# Altium PCB DeutschPCB.PcbDoc (part 2 of 2)
Units mil, origin at the board's own origin, x right, y up, seen from the top; angles counter-clockwise.
Board outline 3250 x 3925 mil, 2 copper layers (Top Layer, Bottom Layer), stack 61.8 mil thick; 164 components, 107 nets, 479 pads, 125 vias.
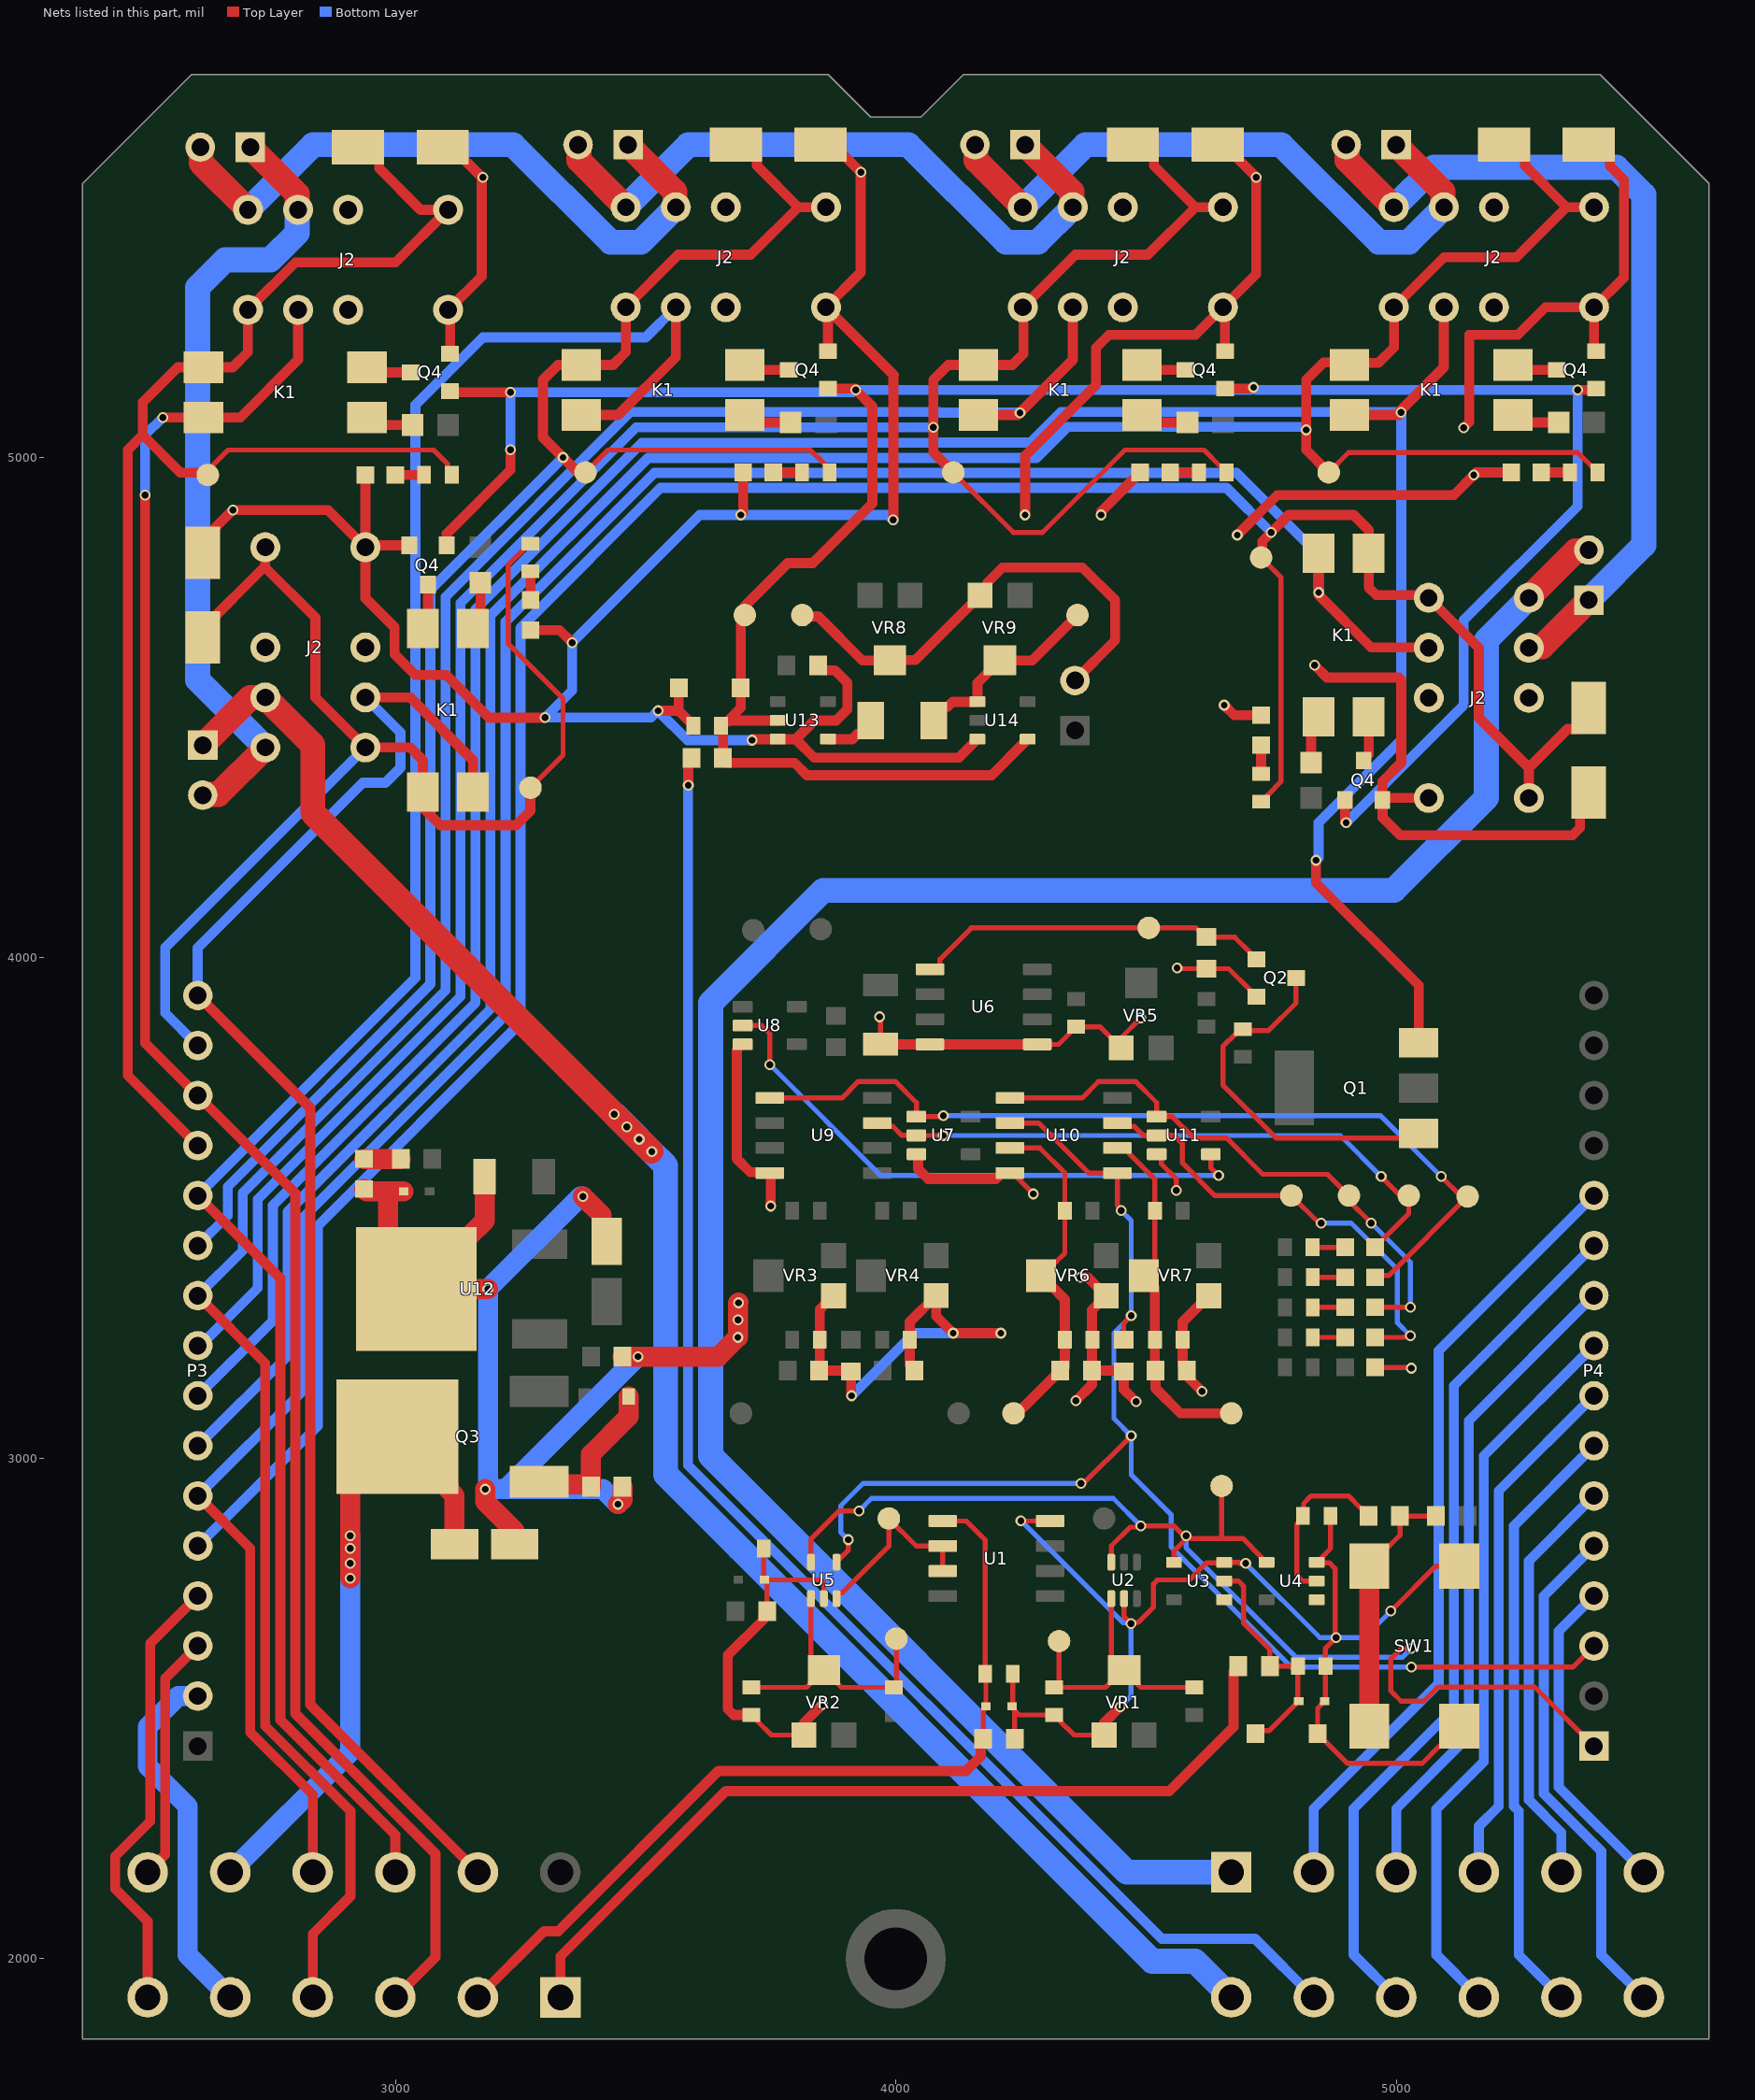
[diagram p2: the nets of this part, all layers, seen from the top]

## Via types
v1: diameter 21.65, hole 13.78, Top Layer to Bottom Layer, tented both sides, 125 vias

## Nets (pads, with @x,y where several pads share a name; then routed paths per layer and width w, separated by ;. In a path a pad name is that pad's centre, name@x,y a point inside that pad or via, vN(x,y) a via of type N, cw(c..) or ccw(c..) an arc to the next point about the centre after c; other vN are vias at no path point) (continued)
BRK_PRS_OP_HIGH: DS1.2 TP6.1 U7.1 U9.1 | length 1773
  Top Layer w10: U9.1@3748.15,3720.1 3892.07,3720.1 3924.57,3752.6 3999.57,3752.6 4041.3,3710.87 U7.1@4041.3,3682.6 4092.6,3682.6 v1(4095,3685) ; DS1.2@4957.99,3361.73 4961.54,3365.28 4984.63,3365.28 TP6.1@5142.64,3523.29 5130,3523.29 v1(5090,3563.29)
  Bottom Layer w10: v1(4095,3685) 4968.29,3685 v1(5090,3563.29)
BRK_PRS_OP_HIGH_INDICATOR: DS1.1 R22.1 | length 65
  Top Layer w10: R22.1@4832.99,3361.73 DS1.1@4897.99,3361.73
BRK_PRS_OP_LOW: DS2.2 TP11.1 U7.2 U9.7 | length 1253.5
  Top Layer w10: U9.7@3962.72,3670.1 3969.53,3663.29 3993.88,3663.29 4011.97,3645.2 U7.2@4041.3,3645.2 4041.5,3645 v1(4095,3645) ; DS2.2@4957.95,3421.69 5025,3488.74 TP11.1@5025,3525 5008.29,3525 v1(4970,3563.29)
  Bottom Layer w10: v1(4095,3645) 4888.29,3645 v1(4970,3563.29)
BRK_PRS_OP_LOW_INDICATOR: DS2.1 R23.1 | length 65
  Top Layer w10: R23.1@4832.95,3421.69 DS2.1@4897.95,3421.69
BRK_PRS_SIM: R2.1 R3.2 TP2.1 U2.1 VR1.2 | length 563.8
  Top Layer w10: R3.2@4316.14,2542.32 R3.2@4317.36,2542.32 ; TP2.1@4326.14,2634.76 4326.14,2551.1 R3.2@4317.36,2542.32 ; U2.1@4430.55,2719.76 4430.55,2597.48 4436.02,2597.48 VR1.2@4456.34,2577.16 ; VR1.2@4446.44,2569.76 4419,2542.32 R3.2@4317.36,2542.32 ; VR1.2@4453.84,2577.16 VR1.2@4456.34,2577.16 ; R2.1@4596.14,2542.32 4489.7,2542.32 4483.84,2548.18 4483.84,2552.16 4458.84,2577.16 VR1.2@4456.34,2577.16
  Top Layer w20: VR1.2@4446.44,2569.76 VR1.2@4453.84,2577.16
CAN_N: P3.4 pad.A6 | length 897.4
  Top Layer w20: pad.A6@2504.92,1922.83 2504.92,2075.08 2440,2140 2440,2205 2510,2275 2510,2630 P3.4@2605,2725
CAN_P: P3.3 pad.A7 | length 493.6
  Top Layer w20: pad.A7@2504.92,2172.83 2540,2207.91 2540,2560 P3.3@2605,2625
GND: C1.2 C2.2 C3.2 C4.2 C5.2 C6.2 C7.1 C8.2 C9.2 C10.2 C11.2 C12.1 C13.1 C15.2 D1.2 D2.1 D3.2 D4.2 D6.2 D7.1 D8.1 D9.1 D11.1 DS5.2 DS6.2 DS7.2 J2.12 P3.2 pad.A5 Q2.2 Q4.2 R1.1 R3.1 R7.1 R9.1 R12.1 R14.1 R16.1 R18.1 R20.1 R27.1 R29.1 R31.1 SW1.3 SW1.4 U1.4 U2.2 U3.3 U4.3 U5.2 U6.4 U6.5 U7.3 U8.3 U9.4 U10.4 U11.3 U12.4 U13.3 U14.3 VR1.3 VR2.3 VR3.3 VR4.3 VR5.3 VR6.3 VR7.3 | length 19073.1
  Top Layer w10: R9.1@3711.14,2487.2 3715.08,2487.2 3723.86,2478.42 3723.86,2474.49 3751.18,2447.16 VR2.3@3816.34,2447.16 ; C1.2@3736.14,2819.76 3736.14,2758.35 D1.2@3737.32,2757.16 D1.2@3738.9,2757.16 ; R1.1@3742.64,2694.76 3742.64,2748.43 3741.77,2749.3 3741.77,2754.29 D1.2@3738.9,2757.16 ; U5.2@3856.14,2719.76 3856.14,2751.31 3850.28,2757.16 D1.2@3738.9,2757.16 ; v1(3967.72,3882.28) 3969.53,3880.47 C7.1@3969.53,3827.44 ; U10.4@4228.15,3570.1 4233.19,3570.1 v1(4275,3528.29) ; C4.2@4233.7,2569.76 4233.7,2504.76 4236.57,2501.89 4236.57,2497.09 4237.64,2496.03 ; R7.1@4237.64,2439.76 4237.64,2496.03 ; v1(4250,2875.38) 4250.62,2874.76 U1.4@4308.43,2874.76 ; U6.5@4282.72,3827.24 4325.24,3827.24 4347.72,3849.72 4347.72,3853.66 4356.5,3862.44 R18.1@4360.43,3862.44 4407.99,3862.44 VR5.3@4450.43,3820 4450.43,3840.74 v1(4489.7,3880) ; VR1.3@4416.34,2447.16 4356.18,2447.16 4328.86,2474.49 4328.86,2478.42 4320.08,2487.2 R3.1@4316.14,2487.2 4246.46,2487.2 4237.64,2496.03 ; U2.2@4456.14,2719.76 4456.14,2683.67 v1(4469.82,2670) 4471.85,2672.03 4484.31,2672.03 4515,2702.72 4515,2749.04 4523.13,2757.16 4586.82,2757.16 4621.1,2791.45 4655.62,2791.45 U3.3@4656.34,2792.16 4685.36,2792.16 4687.52,2790 v1(4699.2,2790) ; U11.3@4521.3,3607.8 4523.62,3607.8 4530.43,3600.99 4530.43,3588.56 4560.81,3558.18 v1(4560.81,3535) ; v1(4562.06,3980) 4563.56,3978.5 R14.1@4620.43,3978.5 4665.16,3978.5 4708.35,3935.32 4708.35,3933.35 4719.09,3922.6 Q2.2@4721.06,3922.6 ; C3.2@4868.7,2884.76 4868.7,2819.53 4852.09,2802.91 4852.09,2797.99 4846.26,2792.16 4846.98,2791.45 4866.23,2791.45 4877.91,2779.76 v1@4877.91,2639.7 ; v1(4880,2641.78) v1@4877.91,2639.7 ; DS5.2@4957.99,3181.69 5028.31,3181.69 v1(5030,3180) ; v1(4989.42,2695) 5079.18,2784.76 SW1.4@5126.14,2784.76 ; SW1.3@5126.14,2464.76 5126.14,2459.76 5091.14,2424.76 5086.14,2424.76 5051.75,2390.37 4902.54,2390.37 4856.85,2436.06 4855.87,2436.06 4843.15,2448.78 D2.1@4843.15,2449.76 4843.15,2500.79 4852.68,2510.31 4852.68,2511.89 4855.55,2514.76 D3.2@4857.13,2514.76 4858.7,2516.34 C2.2@4858.7,2584.76 4858.7,2620.48 v1@4877.91,2639.7
  Top Layer w20: D11.1@2615,4809.65 2615,4835 v1(2675,4895) 2865.43,4895 J2.12@2940,4820.43 ; DS7.2@2940,4965 J2.12@2940,4820.43 ; Q4.2@3027.6,4824.37 2943.94,4824.37 J2.12@2940,4820.43 ; Q4.2@3109.37,5207.4 3109.37,5291.06 J2.12@3105.43,5295 3172.36,5361.93 3172.36,5560 D11.1@3112.36,5620 ; DS7.2@3270,4655 3328.09,4655 v1(3353.09,4630) ; v1(3298.84,4480.09) 3298.75,4480 3186.87,4480 3101.87,4565 3040.27,4565 2998.13,4607.14 2998.13,4660.85 2940,4718.97 J2.12@2940,4820.43 ; v1(3524.74,4493.9) 3524.82,4493.82 3566.26,4493.82 ; D9.1@3566.26,4539.37 3566.26,4493.82 ; C15.2@3595.71,4464.37 3595.71,4468.31 3591.93,4472.09 3587.99,4472.09 3566.26,4493.82 ; v1(3690,4885) 3695,4890 DS7.2@3695,4970 ; U8.3@3694.02,3827.44 3686.14,3827.44 3684.33,3825.63 3684.33,3817.76 3682.48,3815.91 3682.48,3598.29 3708.86,3571.91 3746.34,3571.91 U9.4@3748.15,3570.1 3750,3568.25 v1(3750,3504.06) ; R9.1@3711.14,2487.2 3676.07,2487.2 3664.35,2498.92 3664.35,2606.87 3734.92,2677.44 3734.92,2687.05 R1.1@3742.64,2694.76 ; v1(3712.7,4435) 3714.67,4436.97 U13.3@3764.06,4436.97 3800.04,4436.97 ; VR2.3@3816.34,2447.16 3816.34,2471.3 v1(3853.58,2508.54) ; R31.1@3844.76,4584.37 3844.76,4582.4 3852.48,4574.68 3878.39,4574.68 3903.07,4550 3903.07,4496.68 3880.77,4474.37 3837.44,4474.37 3800.04,4436.97 ; D11.1@3849.65,5625 3875,5625 v1(3930,5570) 3930,5369.57 J2.12@3860.43,5300 J2.12@3864.37,5296.06 ; Q4.2@3864.37,5212.4 J2.12@3864.37,5296.06 ; VR3.3@3875.43,3324.94 3847.99,3297.5 R12.1@3847.99,3236.59 3847.99,3176.63 C5.2@3846.93,3175.57 3908.46,3175.57 C6.2@3910.43,3173.6 3910.43,3126.2 v1(3911.64,3125) ; C7.1@3969.53,3827.44 3969.73,3827.24 U6.4@4068.15,3827.24 U6.5@4282.72,3827.24 ; v1(3995,4875) 3995,5163.15 3996.14,5164.29 J2.12@3864.37,5296.06 ; C8.2@4036.93,3175.57 4036.93,3177.54 4027.99,3186.48 R16.1@4027.99,3236.59 4027.99,3272.66 VR4.3@4080.43,3325.1 4080.43,3283.94 4114.62,3249.76 v1(4114.62,3250.02) v1(4210,3250.02) ; U7.3@4041.3,3607.8 4042.96,3607.8 4044.77,3605.99 4044.77,3578.52 4065,3558.29 4199.61,3558.29 4211.42,3570.1 U10.4@4228.15,3570.1 ; U14.3@4163.07,4436.97 4158.15,4436.97 4157.32,4436.14 4157.32,4431.22 4126.1,4400 3837.01,4400 3800.04,4436.97 ; v1(4258.39,4885) 4258.39,5002.99 4400,5144.61 4400,5218.66 4426.34,5245 4598.82,5245 J2.12@4653.82,5300 ; v1(4360,3115.25) 4391.93,3147.18 C9.2@4391.93,3175.57 ; v1(4368.76,3361.73) 4383.64,3361.73 VR6.3@4420.43,3324.94 4391.93,3296.44 C9.2@4391.93,3175.57 ; v1(4410,4885) 4410,4891.61 DS7.2@4488.39,4970 ; VR1.3@4416.34,2447.16 4416.34,2471.3 v1(4448.58,2503.54) ; v1(4480,3113.18) 4455.43,3137.75 C10.2@4455.43,3173.6 4453.46,3175.57 C9.2@4391.93,3175.57 ; C11.2@4572.99,3186.48 R27.1@4572.99,3236.59 4572.99,3272.5 VR7.3@4625.43,3324.94 ; C11.2@4581.93,3175.57 4581.93,3163.56 v1(4611.89,3133.6) ; D11.1@4643.03,5625 4655,5625 v1(4720,5560) 4720,5366.18 J2.12@4653.82,5300 ; v1(4656.34,4505) 4676.34,4485 DS7.2@4730,4485 ; Q4.2@4657.76,5212.4 4657.76,5296.06 J2.12@4653.82,5300 ; v1(4682.35,4845) 4762.35,4925 5115,4925 v1(5155,4965) 5160,4970 DS7.2@5230,4970 ; v1(4836.73,4585) 4861.73,4560 5005,4560 5010,4555 5010,4390 4972.4,4352.4 Q4.2@4972.4,4315.63 ; J2.12@5065,4319.57 4976.34,4319.57 Q4.2@4972.4,4315.63 ; v1(5135,5059.24) 5146.16,5070.4 5146.16,5245 5243.16,5245 5298.16,5300 J2.12@5395.43,5300 ; D11.1@5384.65,4330.35 5367.53,4313.24 5367.53,4259.9 5352.63,4245 5008.15,4245 4972.91,4280.24 4972.91,4315.13 Q4.2@4972.4,4315.63 ; D11.1@5384.65,5625 5402.36,5625 5426.81,5600.55 5426.81,5582.83 5455,5554.65 5455,5359.57 J2.12@5395.43,5300 ; Q4.2@5399.37,5212.4 5395.43,5216.34 J2.12@5395.43,5300
  Top Layer w40: DS6.2@2937.4,3538.29 2942.4,3533.29 2985,3533.29 ; D6.2@3016.41,3533.29 2985,3533.29 ; C13.1@3178.34,3563.29 3178.34,3474.78 3145.86,3442.3 3141.93,3442.3 3041.85,3342.22 U12.4@3041.85,3338.29 ; v1(3179.76,2938.29) 3179.76,2913.29 3238.38,2854.67 D7.1@3238.38,2828.29 ; v1(3184.76,3338.29) U12.4@3041.85,3338.29 ; v1(3374.76,3523.29) 3411.89,3486.16 3411.89,3443.84 D8.1@3422.4,3433.33 ; v1(3444.76,2908.29) 3453.89,2917.42 R29.1@3453.89,2943.29 ; C12.1@3453.89,3203.29 v1(3484.76,3203.29) 3645.72,3203.29 v1@3684.33,3241.9 ; v1(3684.33,3241.69) v1@3684.33,3241.9 ; v1(3685.35,3310.86) 3685,3310.5 v1(3685,3276.97) 3684.33,3276.3 v1@3684.33,3241.9 ; 2985,3533.29 2985,3395.14 U12.4@3041.85,3338.29
  Bottom Layer w10: v1(4250,2875.38) 4454.34,2671.04 4468.77,2671.04 v1(4469.82,2670) 4469.82,2524.78 v1(4448.58,2503.54) ; v1(4699.2,2790) 4847.41,2641.78 v1(4880,2641.78) 4936.2,2641.78 v1(4989.42,2695)
  Bottom Layer w20: v1(3712.7,4435) 3583.64,4435 v1(3524.74,4493.9) 3510.93,4480.09 v1(3298.84,4480.09) 3353.09,4534.34 v1(3353.09,4630) 3608.09,4885 v1(3690,4885) 3984.55,4885 3994.55,4875 v1(3995,4875) ; v1(3911.64,3125) 4036.66,3250.02 v1(4114.62,3250.02)
  Bottom Layer w40: P3.2@2605,2525 2566.46,2525 2504.92,2463.46 2504.92,2385.08 2585,2305 2585,2007.72 pad.A5@2669.88,1922.83 ; v1(3374.76,3523.29) 3369.76,3523.29 v1(3184.76,3338.29) 3184.76,2938.29 3219.76,2938.29 ; v1(3444.76,2908.29) 3414.76,2938.29 3219.76,2938.29 ; v1(3484.76,3203.29) 3219.76,2938.29
  other v1: 3175,5560
LED_SHDN_SEG1: DS7.1@3270,4715 R33.1@3270,4772.44 | length 57.4
  Top Layer w20: DS7.1@3270,4715 R33.1@3270,4772.44
LED_SHDN_SEG2: DS7.1@3000,4965 R33.1@3057.44,4965 | length 57.4
  Top Layer w20: DS7.1@3000,4965 R33.1@3057.44,4965
LED_SHDN_SEG3: DS7.1@3755,4970 R33.1@3812.44,4970 | length 57.4
  Top Layer w20: DS7.1@3755,4970 R33.1@3812.44,4970
LED_SHDN_SEG4: DS7.1@4548.39,4970 R33.1@4605.83,4970 | length 57.4
  Top Layer w20: DS7.1@4548.39,4970 R33.1@4605.83,4970
LED_SHDN_SEG5: DS7.1@5290,4970 R33.1@5347.44,4970 | length 57.4
  Top Layer w20: DS7.1@5290,4970 R33.1@5347.44,4970
LED_SHDN_SEG6: DS7.1@4730,4425 R33.1@4730,4367.56 | length 57.4
  Top Layer w20: R33.1@4730,4367.56 DS7.1@4730,4425
LEM_ADJ_HIGH: C9.1 R19.1 R20.2 TP14.1 U10.3 VR6.2 | length 715.3
  Top Layer w10: U10.3@4228.15,3620.1 4287.87,3620.1 4337.87,3570.1 R19.1@4337.87,3495.1 4337.87,3409.88 4320.43,3392.44 4315.43,3392.44 4290.43,3367.44 VR6.2@4290.43,3364.94 VR6.2@4290.43,3362.44
  Top Layer w20: TP14.1@4235.43,3090 4242.2,3090 4254.7,3102.5 4255.87,3102.5 4319.25,3165.89 C9.1@4321.22,3165.89 ; VR6.2@4290.43,3362.44 4310.43,3342.44 4312.93,3342.44 4337.87,3317.5 R20.2@4337.87,3236.59 4337.87,3182.54 C9.1@4328.94,3173.6 ; C9.1@4328.94,3175.57 C9.1@4328.94,3173.6 ; C9.1@4321.22,3165.89 C9.1@4328.94,3173.6 ; C9.1@4321.22,3165.89 C9.1@4328.94,3173.6
LEM_ADJ_LOW: C11.1 R21.1 R27.2 TP15.1 U10.6 VR7.2 | length 743.7
  Top Layer w10: U10.6@4442.72,3620.1 4458.97,3620.1 4465.78,3613.29 4465.78,3609.64 4517.87,3557.54 R21.1@4517.87,3495.1 VR7.2@4517.87,3384.88 ; VR7.2@4517.87,3384.88 4495.43,3362.44 VR7.2@4517.87,3384.88
  Top Layer w20: VR7.2@4495.43,3362.44 4517.87,3340 R27.2@4517.87,3236.59 4517.87,3176.63 C11.1@4518.94,3175.57 4518.94,3140 4568.94,3090 TP15.1@4670.43,3090
LEM_IN: C10.1 P4.3 U5.4 U10.2 U10.5 | length 2867.1
  Top Layer w10: U5.4@3881.73,2792.6 3905,2815.86 v1(3905,2837.32) ; U10.2@4228.15,3670.1 4285.43,3670.1 4385.43,3570.1 U10.5@4442.72,3570.1 4442.72,3505.97 4450.43,3498.25 v1(4450.43,3495.1) ; v1(4370,2950) 4370,2944.57 v1(4470.43,3045) ; C10.1@4455.43,3236.59 4455.43,3270.1 v1(4470.43,3285.1) ; v1(5030,2582.79) 5352.79,2582.79 P4.3@5395,2625
  Bottom Layer w10: v1(3905,2837.32) 3890,2852.32 3890,2905 3935,2950 v1(4370,2950) ; v1(4450.43,3495.1) 4470.43,3475.1 v1(4470.43,3285.1) 4435.79,3250.45 4435.79,3079.65 v1(4470.43,3045) 4470.43,2966.99 4550,2887.43 4550,2823.28 4790.49,2582.79 v1(5030,2582.79)
LEM_IN_BUFFERED: TP4.1 U1.6 U1.7 U5.3 | length 388.9
  Top Layer w10: U5.3@3881.73,2719.76 3881.73,2728.62 3884.61,2731.49 3893.46,2731.49 3986.14,2824.17 TP4.1@3986.14,2879.76 4041.14,2824.76 U1.6@4093.86,2824.76 U1.7@4093.86,2774.76
LEM_IN_RAW: C4.1 D4.1 pad.A2 R7.2 U1.5 | length 1743.3
  Top Layer w10: U1.5@4093.86,2874.76 4141.14,2874.76 4178.58,2837.32 C4.1@4178.58,2569.76 4180.16,2568.19 D4.1@4180.16,2504.76 4178.58,2504.76 4175.71,2501.89 4175.71,2497.09 4174.65,2496.03 R7.2@4174.65,2439.76
  Top Layer w20: pad.A2@3164.76,1922.83 3296.93,2055 3325,2055 3645,2375 4140,2375 4169.79,2404.79 4169.79,2432.94 4174.65,2437.79 R7.2@4174.65,2439.76
LEM_OP: U8.2 U11.4 | length 1160.2
  Top Layer w10: U8.2@3694.02,3864.84 3731.41,3864.84 3748.15,3848.1 v1(3748.15,3786.85) ; U11.4@4629.57,3607.8 4629.57,3580.43 v1(4645,3565)
  Bottom Layer w10: v1(3748.15,3786.85) 3970,3565 v1(4645,3565)
LEM_OP_HIGH: DS3.2 TP13.1 U10.1 U11.1 | length 1146.1
  Top Layer w10: U10.1@4228.15,3720.1 4372.07,3720.1 4404.57,3752.6 4479.57,3752.6 4521.3,3710.87 U11.1@4521.3,3682.6 4552.6,3682.6 4595.2,3640 4660.94,3640 4733.28,3567.67 4862.76,3567.67 TP13.1@4905.43,3525 4905.43,3514.57 v1(4950,3470) ; DS3.2@4957.99,3301.69 v1(5028.31,3301.69)
  Bottom Layer w10: v1(4950,3470) 5028.31,3391.69 v1(5028.31,3301.69)
LEM_OP_HIGH_INDICATOR: DS3.1 R24.1 | length 65
  Top Layer w10: R24.1@4832.99,3301.69 DS3.1@4897.99,3301.69
LEM_OP_LOW: DS4.2 TP16.1 U10.7 U11.2 | length 934.3
  Top Layer w10: U10.7@4442.72,3670.1 4449.44,3663.38 4476.39,3663.38 4494.57,3645.2 U11.2@4521.3,3645.2 4556.14,3645.2 4572.87,3628.46 4572.87,3590 4637.87,3525 TP16.1@4790.43,3525 4845.43,3470 v1(4850,3470) ; DS4.2@4969.25,3252.95 DS4.2@4957.99,3241.69 5016.76,3241.69 5017.84,3242.77 5026.08,3242.77 v1(5028.31,3245)
  Bottom Layer w10: v1(4850,3470) 4910,3470 5002.48,3377.52 5002.48,3270.83 v1(5028.31,3245)
LEM_OP_LOW_INDICATOR: DS4.1 R25.1 | length 65
  Top Layer w10: R25.1@4832.99,3241.69 DS4.1@4897.99,3241.69
LEM_SIM: R8.1 R9.2 TP5.1 U5.1 VR2.2 | length 569.3
  Top Layer w10: R9.2@3711.14,2542.32 3821.5,2542.32 3828.84,2549.66 3828.84,2552.16 3853.84,2577.16 VR2.2@3855.55,2577.16 ; U5.1@3830.55,2719.76 3830.55,2602.16 VR2.2@3855.55,2577.16 ; TP5.1@4001.14,2639.76 4001.14,2547.32 R8.1@3996.14,2542.32 3891.18,2542.32 3883.84,2549.66 3883.84,2552.16 3858.84,2577.16 VR2.2@3856.34,2577.16 VR2.2@3855.55,2577.16
NetC14_1: C14.1 TP21.1 U14.1 VR9.2 | length 403.8
  Top Layer w20: C14.1@4076.26,4474.37 4076.26,4485.2 4092.83,4501.77 4103.66,4501.77 4113.66,4511.77 U14.1@4163.07,4511.77 4163.07,4549.17 4185.77,4571.87 4185.77,4574.37 4205.77,4594.37 VR9.2@4208.27,4594.37 4272.44,4594.37 TP21.1@4363.07,4685
NetC14_2: C14.2 U13.4 | length 107.7
  Top Layer w20: U13.4@3864.45,4436.97 3912.87,4436.97 3922.87,4446.97 3933.7,4446.97 3950.28,4463.54 C14.2@3950.28,4474.37
NetP1_2: P1.2 TP19.1 VR8.2 VR9.1 | length 966.4
  Top Layer w20: TP19.1@3813.07,4685 3815.51,4682.56 3844.88,4682.56 3933.07,4594.37 VR8.2@3988.27,4594.37 3989.05,4595.15 4039.05,4595.15 VR9.1@4168.27,4724.37 4183.27,4739.37 4183.27,4750.2 4213.07,4780 4373.07,4780 4438.07,4715 4438.07,4634.17 P1.2@4358.27,4554.37
PWR_ONLED: DS6.1 R28.1 | length 73.5
  Top Layer w40: DS6.1@2937.4,3598.29 R28.1@3010.9,3598.29
PWR_PLRTY: D5.2 Q3.1 R29.2 | length 319
  Top Layer w40: Q3.1@3287.4,2953.29 3292.91,2947.78 3386.41,2947.78 R29.2@3390.9,2943.29 3390.9,3008.29 3466.3,3083.68 D5.2@3466.3,3123.44
SHDN_BPSD_TEST: pad.A1 R4.2 | length 1743.6
  Top Layer w20: pad.A1@3329.72,1922.83 3329.72,2004.72 3660,2335 4546.42,2335 4674.96,2463.54 4674.96,2575.08 4676.93,2575.08 4684.65,2582.79 R4.2@4684.65,2584.76
SHDN_BRAKE_OVERTRAVEL: P4.4 pad.B6 | length 651.6
  Bottom Layer w20: P4.4@5395,2725 5325,2655 5325,2342.91 pad.B6@5495.08,2172.83
SHDN_BSPD_BOOST: Q1.1 Q2.3 R11.1 | length 783.1
  Top Layer w10: Q2.3@4799.8,3960 4799.8,3909.8 4745,3855 R11.1@4700.91,3855 ; Q1.1@5044.45,3649.45 5035,3640 4760,3640 4653.82,3746.18 4653.82,3823.03 4679.57,3848.78 R11.1@4680.63,3848.78 ; R11.1@4680.63,3848.78 R11.1@4693.35,3861.5 ; R11.1@4680.63,3848.78 R11.1@4693.35,3861.5 ; R11.1@4693.35,3861.5 R11.1@4693.35,3862.56 ; R11.1@4693.35,3862.56 R11.1@4700.91,3855 ; R11.1@4693.35,3862.56 R11.1@4700.91,3855
SHDN_BSPD_SIG: Q2.1 R14.2 TP8.1 U6.1 | length 722.1
  Top Layer w10: U6.1@4068.15,3977.24 4081.53,3977.24 4088.35,3984.06 4088.35,3997.44 4150.91,4060 TP8.1@4505.43,4060 4599.96,4060 4618.46,4041.5 R14.2@4620.43,4041.5 4676.97,4041.5 4708.35,4010.12 4708.35,4008.15 4719.09,3997.4 Q2.1@4721.06,3997.4
SHDN_BSPD_TEST_COMMAND: P4.1 TP3.1 U2.6 U3.4 U4.4 U5.6 | length 2461.6
  Top Layer w10: U5.6@3830.55,2792.6 3830.55,2838.97 3886.58,2895 v1(3926.65,2895) ; U2.6@4430.55,2792.6 4430.55,2824.72 4468.37,2862.53 4487.47,2862.53 v1(4489.7,2864.76) 4556.14,2864.76 v1@4577.95,2842.95 ; U3.4@4555.94,2792.16 4556.14,2792.36 4556.14,2814.76 4581.14,2839.76 4651.14,2839.76 ; TP3.1@4651.14,2934.76 4651.14,2839.76 ; U4.4@4740.94,2792.16 4736.02,2792.16 4730.2,2797.99 4730.2,2802.91 4693.35,2839.76 4651.14,2839.76 ; v1(5030,2620) 5010,2620 4989.45,2599.45 4989.45,2535 5009.69,2514.76 5054.76,2514.76 5082.79,2542.79 5277.21,2542.79 P4.1@5395,2425
  Bottom Layer w10: v1(3926.65,2895) 3951.65,2920 4434.46,2920 v1(4489.7,2864.76) ; v1(4580,2845) 4580,2821.57 4798.77,2602.79 5012.79,2602.79 v1(5030,2620)
SHDN_BSPD_TEST_PROTECTED: C2.1 D2.2 D3.1 R4.1 U3.2 | length 457.8
  Top Layer w10: U3.2@4656.34,2754.76 4684.92,2754.76 4694.92,2744.76 4694.92,2670.98 4747.64,2618.27 R4.1@4747.64,2584.76 C2.1@4803.58,2584.76 4803.58,2516.34 D3.1@4805.16,2514.76 ; D2.2@4719.13,2449.76 4724.97,2455.6 4745.99,2455.6 D3.1@4800.71,2510.31
SHDN_BSPD_TEST_SCHMITT_UNUSED: U3.1
SHDN_DASH_INERTIA: P4.5 pad.B7 | length 1026.5
  Bottom Layer w20: P4.5@5395,2825 5295,2725 5295,2330 5410,2215 5410,2007.91 pad.B7@5495.08,1922.83
SHDN_ESTOP_DASH: P4.6 pad.B5 | length 833
  Bottom Layer w20: pad.B5@5330.12,2172.83 5330.12,2252.46 5265,2317.57 5265,2795 P4.6@5395,2925
SHDN_ESTOP_LEFT: P4.8 pad.B4 | length 1047.4
  Bottom Layer w20: pad.B4@5165.16,2172.83 5165.16,2264.87 5205,2304.71 5205,2935 P4.8@5395,3125
SHDN_ESTOP_RIGHT: P4.7 pad.B8 | length 1207.8
  Bottom Layer w20: pad.B8@5330.12,1922.83 5245,2007.95 5245,2295.15 5235,2305.15 5235,2865 P4.7@5395,3025
SHDN_IN1: J2.4@2740,4520.43 P2_SHDN_SEG1.1 pad.B12 | length 3720.6
  Top Layer w50: P2_SHDN_SEG1.1@2615,4425 2710.43,4520.43 J2.4@2740,4520.43 2835,4425.43 2835,4289.76 3487.25,3637.51 v1@3511.13,3613.63
  Bottom Layer w40: J2.4@2740,4520.43 J2.4@2744.57,4520.43
  Bottom Layer w50: v1(3437.5,3687.5) v1(3462.5,3662.5) v1(3512.5,3612.5) 3540,3585 3540,2967.72 4512.72,1995 4598.11,1995 pad.B12@4670.28,1922.83
  other v1: 3487.24,3637.5
SHDN_IN2: J2.4@2805.43,5495 J2.5@2740,4420.43 P2_SHDN_SEG1.2 P2_SHDN_SEG2.1 | length 1595.3
  Top Layer w50: P2_SHDN_SEG1.2@2615,4325 2616.73,4326.73 2646.3,4326.73 J2.5@2740,4420.43 ; P2_SHDN_SEG2.1@2710,5620 2803.52,5526.48 2803.52,5496.91 J2.4@2805.43,5495
  Bottom Layer w50: J2.5@2740,4420.43 2605,4555.43 2605,5340 2660,5395 2750,5395 2803.52,5448.52 2803.52,5493.09 J2.4@2805.43,5495
SHDN_IN3: J2.4@3560.43,5500 J2.5@2705.43,5495 P2_SHDN_SEG2.2 P2_SHDN_SEG3.1 | length 1347.7
  Top Layer w50: P2_SHDN_SEG2.2@2610,5620 2611.73,5618.27 2611.73,5588.7 J2.5@2705.43,5495 ; P2_SHDN_SEG3.1@3465,5625 3558.52,5531.48 3558.52,5501.91 J2.4@3560.43,5500
  Bottom Layer w50: J2.5@2705.43,5495 2835.43,5625 3235,5625 3430,5430 3490.43,5430 J2.4@3560.43,5500
SHDN_IN4: J2.4@4353.82,5500 J2.5@3460.43,5500 P2_SHDN_SEG3.2 P2_SHDN_SEG4.1 | length 1384
  Top Layer w50: P2_SHDN_SEG3.2@3365,5625 3366.73,5623.27 3366.73,5593.7 J2.5@3460.43,5500 ; P2_SHDN_SEG4.1@4258.39,5625 4351.9,5531.48 4351.9,5501.91 J2.4@4353.82,5500
  Bottom Layer w50: J2.5@3460.43,5500 3585.43,5625 4025.29,5625 4220.29,5430 4283.82,5430 J2.4@4353.82,5500
SHDN_IN5: J2.4@5095.43,5500 J2.5@4253.82,5500 P2_SHDN_SEG4.2 P2_SHDN_SEG5.1 | length 1332.2
  Top Layer w50: P2_SHDN_SEG4.2@4158.39,5625 4160.12,5623.27 4160.12,5593.7 J2.5@4253.82,5500 ; P2_SHDN_SEG5.1@5000,5625 5093.52,5531.48 5093.52,5501.91 J2.4@5095.43,5500
  Bottom Layer w50: J2.5@4253.82,5500 4378.82,5625 4770,5625 4965,5430 5025.43,5430 J2.4@5095.43,5500
SHDN_IN6: J2.4@5265,4619.57 J2.5@4995.43,5500 P2.1 P2_SHDN_SEG5.2 | length 1745.4
  Top Layer w40: P2_SHDN_SEG5.2@4900,5625 P2_SHDN_SEG5.2@4907.31,5617.69
  Top Layer w50: P2_SHDN_SEG5.2@4900,5625 4901.73,5623.27 4901.73,5593.7 J2.5@4995.43,5500 ; J2.4@5265,4619.57 5266.91,4621.48 5291.48,4621.48 P2.1@5385,4715
  Bottom Layer w50: J2.5@4995.43,5500 5075.43,5580 5440,5580 5495,5525 5495,4825 P2.1@5385,4715
SHDN_LINE_SHDN_SEG1: J2.3@2740,4620.43
SHDN_LINE_SHDN_SEG2: J2.3@2905.43,5495
SHDN_LINE_SHDN_SEG3: J2.3@3660.43,5500
SHDN_LINE_SHDN_SEG4: J2.3@4453.82,5500
SHDN_LINE_SHDN_SEG5: J2.3@5195.43,5500
SHDN_LINE_SHDN_SEG6: J2.3@5265,4519.57
SHDN_OUT6: J2.5@5265,4719.57 P2.2 pad.B1 | length 4604.2
  Top Layer w50: J2.5@5265,4719.57 5358.7,4813.27 5383.27,4813.27 P2.2@5385,4815
  Bottom Layer w50: pad.B1@4670.28,2172.83 4462.17,2172.83 3630,3005 3630,3909.79 3855.21,4135 4005,4135 4995.43,4135 5180,4319.57 5180,4634.57 J2.5@5265,4719.57
SHDN_SEG_LATCH: C15.1 D9.2 Q4.1 R30.2 TP20.1 U13.2 U14.4 | length 5547
  Top Layer w20: Q4.1@3102.4,4824.37 3102.4,4847.4 3230,4975 v1(3230,5015) ; Q4.1@3109.37,5132.6 3111.97,5130 v1(3230,5130) ; U13.2@3764.06,4474.37 3666.32,4474.37 3664.04,4472.09 C15.1@3662.48,4472.09 ; Q4.1@3864.37,5137.6 3917.4,5137.6 v1(3920,5135) ; v1@3920,5137.6 v1(3920,5135) ; U14.4@4263.46,4436.97 4258.54,4436.97 4257.72,4436.14 4257.72,4431.22 4191.5,4365 3822.28,4365 3797.6,4389.68 3662.48,4389.68 3654.76,4397.4 R30.2@3654.76,4399.37 3654.76,4456.5 3650.83,4460.43 C15.1@3650.83,4464.37 3650.83,4468.31 3654.61,4472.09 C15.1@3662.48,4472.09 ; Q4.1@4657.76,5137.6 4712.6,5137.6 v1(4715,5140) ; Q4.1@4897.6,4315.63 4897.6,4272.4 v1(4900,4270) ; v1(5362.56,5135) 5396.77,5135 Q4.1@5399.37,5137.6 ; C15.1@3662.48,4472.09 3690.28,4499.88 D9.2@3690.28,4539.37 3690.28,4670.44 3698.07,4678.24 TP20.1@3698.07,4685 3698.07,4702.81 3784.05,4788.78 3833.85,4788.78 3953.27,4908.19 3953.27,5101.73 v1(3920,5135)
  Bottom Layer w20: v1(3230,5015) v1(3230,5130) 3914.55,5130 3919.55,5135 v1(3920,5135) 4709.55,5135 4714.55,5140 v1(4715,5140) 4715.45,5140 4720.45,5135 v1(5362.56,5135) 5362.56,4902.56 5135,4675 5135,4505 v1(4900,4270)
SHDN_STATE_SHDN_SEG1: J2.10@2940,4620.43
SHDN_STATE_SHDN_SEG2: J2.10@2905.43,5295
SHDN_STATE_SHDN_SEG3: J2.10@3660.43,5300
SHDN_STATE_SHDN_SEG4: J2.10@4453.82,5300
SHDN_STATE_SHDN_SEG5: J2.10@5195.43,5300
SHDN_STATE_SHDN_SEG6: J2.10@5065,4519.57
SHDN_TEST_BSPD_BTN: R5.1 R6.2 SW1.1 SW1.2 | length 520.4
  Top Layer w10: SW1.2@4946.14,2784.76 4946.14,2789.76 4981.14,2824.76 4986.14,2824.76 5007.64,2846.26 R6.2@5007.64,2884.76 R5.1@5079.65,2884.76
  Top Layer w40: SW1.1@4946.14,2464.76 SW1.2@4946.14,2784.76
SHDN_TEST_BSPD_BUFFER_UNUSED: U4.1
SHDN_TEST_BSPD_SWITCH: C3.1 R6.1 U4.2 | length 347.3
  Top Layer w10: U4.2@4841.34,2754.76 4813.58,2754.76 4801.14,2767.2 4801.14,2868.38 4813.58,2880.83 C3.1@4813.58,2884.76 4814.92,2886.1 4814.92,2909.76 4829.92,2924.76 4904.65,2924.76 4929.96,2899.45 4931.93,2899.45 4944.65,2886.73 R6.1@4944.65,2884.76
SHDN_UPRIGHT_BL: P4.10 pad.B3 | length 1315.7
  Bottom Layer w20: pad.B3@5000.2,2172.83 5000.2,2300.2 5145,2445 5145,3075 P4.10@5395,3325
SHDN_UPRIGHT_BR: P4.9 pad.B9 | length 1467.9
  Bottom Layer w20: pad.B9@5165.16,1922.83 5080,2007.99 5080,2298.89 5175,2393.89 5175,3005 P4.9@5395,3225
SHDN_UPRIGHT_FL: P4.12 pad.B2 | length 1584
  Bottom Layer w20: pad.B2@4835.24,2172.83 4835.24,2300.24 5085,2550 5085,3215 P4.12@5395,3525
SHDN_UPRIGHT_FR: P4.11 pad.B10 | length 1736.3
  Bottom Layer w20: pad.B10@5000.2,1922.83 4915,2008.03 4915,2300 5115,2500 5115,3145 P4.11@5395,3425
SHUTDOWN_RESET: pad.B11 R30.1 | length 3106.6
  Top Layer w20: v1(3585.32,4345) 3585.32,4392.91 R30.1@3591.77,4399.37
  Bottom Layer w20: v1(3585.32,4345) 3585,4344.68 3585,2986.36 4531.36,2040 4718.07,2040 pad.B11@4835.24,1922.83
SSR_GND_SHDN_SEG1: K1.2@3055,4658.39 Q4.3@3065,4745.63 | length 91.4
  Top Layer w20: K1.2@3055,4658.39 3065,4668.39 Q4.3@3065,4745.63
SSR_GND_SHDN_SEG2: K1.2@2943.39,5180 Q4.3@3030.63,5170 | length 91.4
  Top Layer w20: K1.2@2943.39,5180 2953.39,5170 Q4.3@3030.63,5170
SSR_GND_SHDN_SEG3: K1.2@3698.39,5185 Q4.3@3785.63,5175 | length 91.4
  Top Layer w20: K1.2@3698.39,5185 3708.39,5175 Q4.3@3785.63,5175
SSR_GND_SHDN_SEG4: K1.2@4491.77,5185 Q4.3@4579.02,5175 | length 91.4
  Top Layer w20: K1.2@4491.77,5185 4501.77,5175 Q4.3@4579.02,5175
SSR_GND_SHDN_SEG5: K1.2@5233.39,5185 Q4.3@5320.63,5175 | length 91.4
  Top Layer w20: K1.2@5233.39,5185 5243.39,5175 Q4.3@5320.63,5175
SSR_GND_SHDN_SEG6: K1.2@4945,4481.61 Q4.3@4935,4394.37 | length 91.4
  Top Layer w20: Q4.3@4935,4394.37 4935,4396.34 4945,4406.34 K1.2@4945,4481.61
SSR_PWR_SHDN_SEG1: K1.1@3155,4658.39 R32.2@3170,4749.57 | length 97.4
  Top Layer w20: K1.1@3155,4658.39 3170,4673.39 R32.2@3170,4749.57
SSR_PWR_SHDN_SEG2: K1.1@2943.39,5080 R32.2@3034.57,5065 | length 97.4
  Top Layer w20: K1.1@2943.39,5080 2958.39,5065 R32.2@3034.57,5065
SSR_PWR_SHDN_SEG3: K1.1@3698.39,5085 R32.2@3789.57,5070 | length 97.4
  Top Layer w20: K1.1@3698.39,5085 3713.39,5070 R32.2@3789.57,5070
SSR_PWR_SHDN_SEG4: K1.1@4491.77,5085 R32.2@4582.95,5070 | length 97.4
  Top Layer w20: K1.1@4491.77,5085 4506.77,5070 R32.2@4582.95,5070
SSR_PWR_SHDN_SEG5: K1.1@5233.39,5085 R32.2@5324.57,5070 | length 97.4
  Top Layer w20: K1.1@5233.39,5085 5248.39,5070 R32.2@5324.57,5070
SSR_PWR_SHDN_SEG6: K1.1@4845,4481.61 R32.2@4830,4390.43 | length 97.4
  Top Layer w20: R32.2@4830,4390.43 4830,4466.61 K1.1@4845,4481.61
STATE_SENSE1: D11.2@2615,4640.35 J2.1@2740,4820.43 J2.8@2940,4420.43 K1.3@3055,4331.61 P3.15 R33.2@3270,4827.56 TP22_SHDN_SEG1.1 | length 2588
  Top Layer w10: TP22_SHDN_SEG1.1@3270,4340 3335,4405 3335,4518.05 3225,4628.05 3225,4785 3257.28,4817.28 3257.28,4818.78 3266.06,4827.56 R33.2@3270,4827.56
  Top Layer w20: D11.2@2615,4640.35 2615,4658.07 2740,4783.07 ; J2.1@2740,4820.43 2740,4783.07 ; TP22_SHDN_SEG1.1@3270,4340 3270,4294.04 3240.96,4265 3090,4265 3052.76,4302.24 3076.5,4302.24 3055,4323.74 K1.3@3055,4331.61 3055,4395 3029.57,4420.43 J2.8@2940,4420.43 2840,4520.43 2840,4680 2740,4780 2740,4783.07
  Bottom Layer w20: P3.15@2605,3825 2540,3890 2540,4020.43 J2.8@2940,4420.43
STATE_SENSE2: D11.2@2925.35,5620 J2.1@3105.43,5495 J2.8@2705.43,5295 K1.3@2616.61,5180 P3.13 R33.2@3112.56,4965 TP22_SHDN_SEG2.1 | length 3320
  Top Layer w10: TP22_SHDN_SEG2.1@2620.22,4969.78 2620.31,4969.78 2636.73,4986.2 2636.73,4986.3 2665.43,5015 3076.5,5015 3103.78,4987.72 3103.78,4973.78 R33.2@3112.56,4965
  Top Layer w20: P3.13@2605,3625 2465,3765 2465,5015 2495,5045 ; TP22_SHDN_SEG2.1@2620.22,4969.78 2570.22,4969.78 2495,5045 ; D11.2@2925.35,5620 2943.07,5620 2967.52,5595.55 2967.52,5577.83 3050.35,5495 J2.1@3105.43,5495 3000.43,5390 2800.43,5390 J2.8@2705.43,5295 2705.43,5210.43 2675,5180 K1.3@2616.61,5180 2565,5180 2495,5110 2495,5045 ; R33.2@3112.56,4965 3112.56,4963.78 R33.2@3116.34,4960
STATE_SENSE3: D11.2@3680.35,5625 J2.1@3860.43,5500 J2.8@3460.43,5300 K1.3@3371.61,5185 P3.11 R33.2@3867.56,4970 TP22_SHDN_SEG3.1 | length 3583.2
  Top Layer w10: TP22_SHDN_SEG3.1@3380,4970 3425,5015 3829.37,5015 3858.78,4985.59 3858.78,4978.78 R33.2@3867.56,4970
  Top Layer w20: TP22_SHDN_SEG3.1@3380,4970 3365,4970 3295,5040 3295,5155 3325,5185 K1.3@3371.61,5185 3435,5185 3460.43,5210.43 J2.8@3460.43,5300 3565.43,5405 3710,5405 3805,5500 3805.35,5500 ; D11.2@3680.35,5625 3698.07,5625 3722.52,5600.55 3722.52,5582.83 3805.35,5500 ; J2.1@3860.43,5500 3805.35,5500
  Bottom Layer w20: P3.11@2605,3425 2665,3485 2665,3542.57 3070,3947.57 3070,4735 v1(3335,5000)
STATE_SENSE4: D11.2@4473.74,5625 J2.1@4653.82,5500 J2.8@4253.82,5300 K1.3@4165,5185 P3.9 R33.2@4660.94,4970 TP22_SHDN_SEG4.1 | length 4663.7
  Top Layer w10: TP22_SHDN_SEG4.1@4115,4970 4235,4850 4292.91,4850 4457.91,5015 4615.95,5015 4648.23,4982.72 4652.17,4982.72 4660.94,4973.94 R33.2@4660.94,4970
  Top Layer w20: TP22_SHDN_SEG4.1@4115,4970 4075,5010 v1(4075,5060) 4075,5155 4105,5185 K1.3@4165,5185 4232.99,5185 4255.39,5207.4 4255.39,5298.43 J2.8@4253.82,5300 4358.82,5405 4503.74,5405 4598.74,5500 ; D11.2@4473.74,5625 4491.46,5625 4515.91,5600.55 4515.91,5582.83 4598.74,5500 ; J2.1@4653.82,5500 4598.74,5500
  Bottom Layer w20: P3.9@2605,3235 P3.9@2605,3225 2605,3220 2725,3340 2725,3517.72 3130,3922.72 3130,4708.98 3481.02,5060 v1(4075,5060)
STATE_SENSE5: D11.2@5215.35,5625 J2.1@5395.43,5500 J2.8@4995.43,5300 K1.3@4906.61,5185 P3.7 R33.2@5402.56,4970 TP22_SHDN_SEG5.1 | length 5423
  Top Layer w10: TP22_SHDN_SEG5.1@4865.12,4970 4905.12,5010 5362.56,5010 5389.84,4982.72 5393.78,4982.72 5402.56,4973.94 R33.2@5402.56,4970
  Top Layer w20: TP22_SHDN_SEG5.1@4865.12,4970 4820,5015.12 v1(4820,5055) 4820,5155 4855,5190 4901.61,5190 K1.3@4906.61,5185 4910.45,5188.84 4964.27,5188.84 4995.43,5220 J2.8@4995.43,5300 5095.43,5400 5240.35,5400 5340.35,5500 ; D11.2@5215.35,5625 5233.07,5625 5257.52,5600.55 5257.52,5582.83 5340.35,5500 ; J2.1@5395.43,5500 5340.35,5500
  Bottom Layer w20: P3.7@2605,3025 2785,3205 2785,3492.87 3190,3897.87 3190,4684.13 3505.05,4999.17 4280.77,4999.17 4342.43,5060.83 4814.17,5060.83 v1(4820,5055)
STATE_SENSE6: D11.2@5384.65,4499.65 J2.1@5265,4319.57 J2.8@5065,4719.57 K1.3@4945,4808.39 P3.5 R33.2@4730,4312.44 TP22_SHDN_SEG6.1 | length 5463.4
  Top Layer w10: R33.2@4730,4312.44 4733.94,4312.44 4742.72,4321.22 4742.72,4325.16 4770,4352.44 4770,4760 TP22_SHDN_SEG6.1@4730,4800
  Top Layer w20: TP22_SHDN_SEG6.1@4730,4800 4732.12,4802.12 4732.12,4832.12 v1(4750,4850) 4785,4885 4915,4885 4945,4855 K1.3@4945,4808.39 4945,4740 4960,4725 5059.57,4725 J2.8@5065,4719.57 5165,4619.57 5165,4480 5265,4380 ; J2.1@5265,4319.57 5265,4380 ; D11.2@5384.65,4499.65 5384.65,4481.93 5360.2,4457.48 5342.48,4457.48 5265,4380
  Bottom Layer w20: P3.5@2605,2825 2845,3065 2845,3465 3250,3870 3250,4659.27 3529.9,4939.17 4660.83,4939.17 v1(4750,4850)
STATE_TRIGGER1: J2.9@2940,4520.43 K1.4@3155,4331.61 P3.16 pad.A11 | length 3135.9
  Top Layer w20: P3.16@2605,3925 2830,3700 2830,2507.6 pad.A11@3164.76,2172.83 ; J2.9@2940,4520.43 3029.57,4520.43 3155,4395 K1.4@3155,4331.61
  Bottom Layer w20: P3.16@2607.09,3922.91 P3.16@2605,3925 2605,4020 2935,4350 2980,4350 3010,4380 3010,4450.43 J2.9@2940,4520.43
STATE_TRIGGER2: J2.9@2805.43,5295 K1.4@2616.61,5080 P3.14 pad.A3 | length 3862.9
  Top Layer w20: v1(2500,4925) 2500,3830 P3.14@2605,3725 2800,3530 2800,2490 3080,2210 3080,2003.03 pad.A3@2999.8,1922.83 ; v1(2535,5080) K1.4@2616.61,5080 2690,5080 2805.43,5195.43 J2.9@2805.43,5295
  Bottom Layer w20: v1(2500,4925) 2500,5045 v1(2535,5080)
STATE_TRIGGER3: J2.9@3560.43,5300 K1.4@3371.61,5085 P3.12 pad.A10 | length 4213.3
  Top Layer w20: P3.12@2605,3525 2770,3360 2770,2477.57 2999.8,2247.77 pad.A10@2999.8,2172.83 ; K1.4@3371.61,5085 3445,5085 3560.43,5200.43 J2.9@3560.43,5300
  Bottom Layer w20: P3.12@2605,3525 3040,3960 3040,5105 3175,5240 3500.43,5240 J2.9@3560.43,5300
STATE_TRIGGER4: J2.9@4353.82,5300 K1.4@4165,5085 P3.10 pad.A4 | length 4802.3
  Top Layer w20: P3.10@2605,3325 2740,3190 2740,2465.15 2910,2295.15 2910,2125 2834.84,2049.84 pad.A4@2834.84,1922.83 ; K1.4@4165,5085 4243.82,5085 v1(4248.27,5089.45) 4353.82,5195 J2.9@4353.82,5300
  Bottom Layer w20: P3.10@2605,3325 2695,3415 2695,3530.15 3100,3935.15 3100,4721.4 3469.42,5090.83 4087.77,5090.83 4089.15,5089.45 v1(4248.27,5089.45)
STATE_TRIGGER5: J2.9@5095.43,5300 K1.4@4906.61,5085 P3.8 Q1.3 | length 5579.5
  Top Layer w20: v1(4840,4195) 4840,4150 5045,3945 5045,3831.1 Q1.3@5044.45,3830.55 ; K1.4@4906.61,5085 5005,5085 v1(5010,5090) ; v1@5007.5,5092.5 5095,5180 5095,5299.57 J2.9@5095.43,5300
  Bottom Layer w20: P3.8@2605,3125 2755,3275 2755,3505.29 3160,3910.29 3160,4696.55 3492.62,5029.17 4087.77,5029.17 4088.6,5030 4269.17,5030 4330,5090.83 5008.73,5090.83 5009.55,5090 v1(5010,5090) 5010,4435 4845,4270 4845,4200 v1(4840,4195)
STATE_TRIGGER6: J2.9@5065,4619.57 K1.4@4845,4808.39 P3.6 pad.A9 | length 5086.8
  Top Layer w20: P3.6@2605,2925 2710,2820 2710,2452.72 2834.84,2327.88 pad.A9@2834.84,2172.83 ; K1.4@4845,4808.39 v1(4845,4730) 4845,4725.43 4950,4620.43 5064.13,4620.43 J2.9@5065,4619.57
  Bottom Layer w20: P3.6@2605,2925 2815,3135 2815,3480.44 3220,3885.44 3220,4671.7 3517.47,4969.17 4680.83,4969.17 4845,4805 v1(4845,4730)
VCC: D7.2 pad.A8 Q3.4 | length 1360.9
  Top Layer w40: v1(2910,2760.24) v1(2910,2790.35) v1(2910,2820.24) v1(2910,2845) 2910,2949.51 Q3.4@3003.93,3043.44 3011.81,3043.44 3105.98,2949.27 3105.98,2938.16 3118.3,2925.84 D7.2@3118.3,2828.29
  Bottom Layer w40: pad.A8@2669.88,2172.83 2910,2412.95 v1(2910,2760.24) v1(2910,2790.35) v1(2910,2820.24) v1(2910,2845)
pads on no net: P4.13 P4.14 P4.15 P4.16 U14.2 VR8.3 VR9.3

## Polygon pours and split planes (outlines as drawn)
no net on Top Layer "Top Layer-+5 1" (solid, pour order 10): 2400,1850 5600,1850 5600,5535 5480,5655 2520,5655 2400,5535
+5 on Top Layer "Top Layer-+5" (solid, shelved, pour order 4): 2670,5790 5327.02,5790 5587.02,5530 5587.02,1870 2407.02,1870 2407.02,5534.85
no net on Top Layer "Top Layer-No Net" (solid, shelved, pour order 0): 2395,1845
GND on Bottom Layer "GNDPlane" (solid, shelved, pour order 8): 2400,1850 5600,1850 5600,5535 5485,5650 2515,5650 2400,5535
GND on Bottom Layer "NONET_L02_P006" (solid, shelved, pour order 6): 2672.98,5790 5330,5790 5590,5530 5590,1870 2410,1870 2410,5534.85

## Silkscreen, mask and mechanical layers (free items; w line width, h text height)
Top Overlay:
  drawing of 46 lines, arcs and shapes, not listed
  text "BMS" at 3460.43,4940 h60
  text "PDOC" at 4195,4940 h60
  text "BSPD" at 4940,4940 h60
  text "IMD" at 2710,4935 h60
  text "MONO>" at 3558.07,4775 h60
  text "500k" at 3891.1,4775 h60
  text "4k7" at 4156.89,4775 h60
  text "SDC" at 4700,4720 h60 r270
  text "HVD" at 3300,4420 h60 r90
  text "Shutdown Loop" at 3436.1,4260 h60
  text "Shutdown Board" at 2734.4,3840 h60
  text "V2.1 - Base" at 2734.4,3750 h60
  text "BRK LOW" at 5020,3400 h40
  text "BRK HIGH" at 5020,3340 h40
  text "LEM HIGH" at 5020,3280 h40
  text "LEM LOW" at 5020,3220 h40
  text "DELAY" at 5020,3160 h40
  text "BH" at 3756.73,3060 h60
  text "BL" at 3964.17,3060 h60
  text "LH" at 4301.73,3060 h60
  text "LL" at 4509.17,3060 h60
  text "<TRIG" at 4772.99,3056.69 h60
  text "18-12V IN" at 2770,2380 h60
  text "LEM" at 3778.58,2328.54 h60
  text "<SIM>" at 4024.84,2328.54 h60
  text "BRK" at 4379.84,2328.54 h60
Bottom Overlay:
  drawing of 14 lines, arcs and shapes, not listed
  text "BRK_OVERTRAVEL | DASH_INTERTIA" at 5515,4109.77 h60 r90
  text "ESTOP_DASH | ESTOP_RIGHT" at 5335,3759.88 h60 r90
  text "UPRIGHT_FL | SHDN_RESET" at 4860,3699.9 h60 r90
  text "ESTOP_LEFT | UPRIGHT_BR" at 5190,3699.9 h60 r90
  text "UPRIGHT_BL | UPRIGHT_FR" at 5025,3689.91 h60 r90
  text "BRK_PRS | BSPD_TEST" at 3365,3469.98 h60 r90
  text "SHDN_OUT | SHDN_IN" at 4695,3400 h60 r90
  text "SDC_IN | PDOC_IN" at 2867,3270.04 h60 r90
  text "BMS_IN | IMD_IN" at 3033,3200.06 h60 r90
  text "CAN_P | CAN_N" at 2535,3110.09 h60 r90
  text "HVD_IN | LEM" at 3199,3040.12 h60 r90
  text "VCC | GND" at 2725,2870.17 h60 r90
  text "Shutdown Board" at 4436.45,2808.21 h60
  text "V2.1 - Base" at 4436.45,2718.21 h60
BoardOutline:
  the board outline again, w10
BoardKeepOut:
  lines w10: 2405,2250 2532.48,2377.48 2532.48,5705 5467.52,5705 5467.52,2377.48 5595,2250
  lines w78.74: 4000,5306.3 4000,5700
Mechanical 13:
  circle w15.75: c3330.71,1921.26 r7.87
  lines w5: 2405.51,1806.69 2405.51,2251.57 3429.13,2251.57 3429.13,1806.69 ; 3812.99,1806.69 3812.99,2059.84 3855.12,2059.84 ; 3855.12,1806.69 3855.12,2059.84 ; 4144.88,1806.69 4144.88,2059.84 ; 4187.01,1806.69 4187.01,2059.84 4144.88,2059.84 ; 4570.87,1806.69 4570.87,2251.57 5594.49,2251.57 5594.49,1806.69 ; 3855.12,2059.84 3936.02,2059.84 3936.02,1926.97 ccw(c4000,1926.97) 4000,1862.99 ccw(c4000,1926.97) 4063.98,1926.97 4063.98,2059.84 4144.88,2059.84
Mechanical 15:
  lines w1.97: 2001.97,2265.75 5998.03,2265.75

## Dimensions
5450,5765 to 6205,1835 on Mechanical 1
5720,5687.16 to 5743.03,2262.91 on Mechanical 1
2360,5570 to 5620,5590 on Mechanical 1
2535,5735 to 5465,5755 on Mechanical 1

## Text inside footprints (layer, text, board x,y; h text height)
J2: Top Overlay "G6S-2" at 5285,4824.57 h50 r180
J2: Top Overlay "G6S-2" at 4890.43,5520 h50 r270
J2: Top Overlay "G6S-2" at 4148.82,5520 h50 r270
J2: Top Overlay "G6S-2" at 3355.43,5520 h50 r270
J2: Top Overlay "G6S-2" at 2600.43,5515 h50 r270
J2: Top Overlay "G6S-2" at 2720,4315.43 h50